# Allegro board rpi-cm4-carrierboard-v1_00-0a.brd (continued)
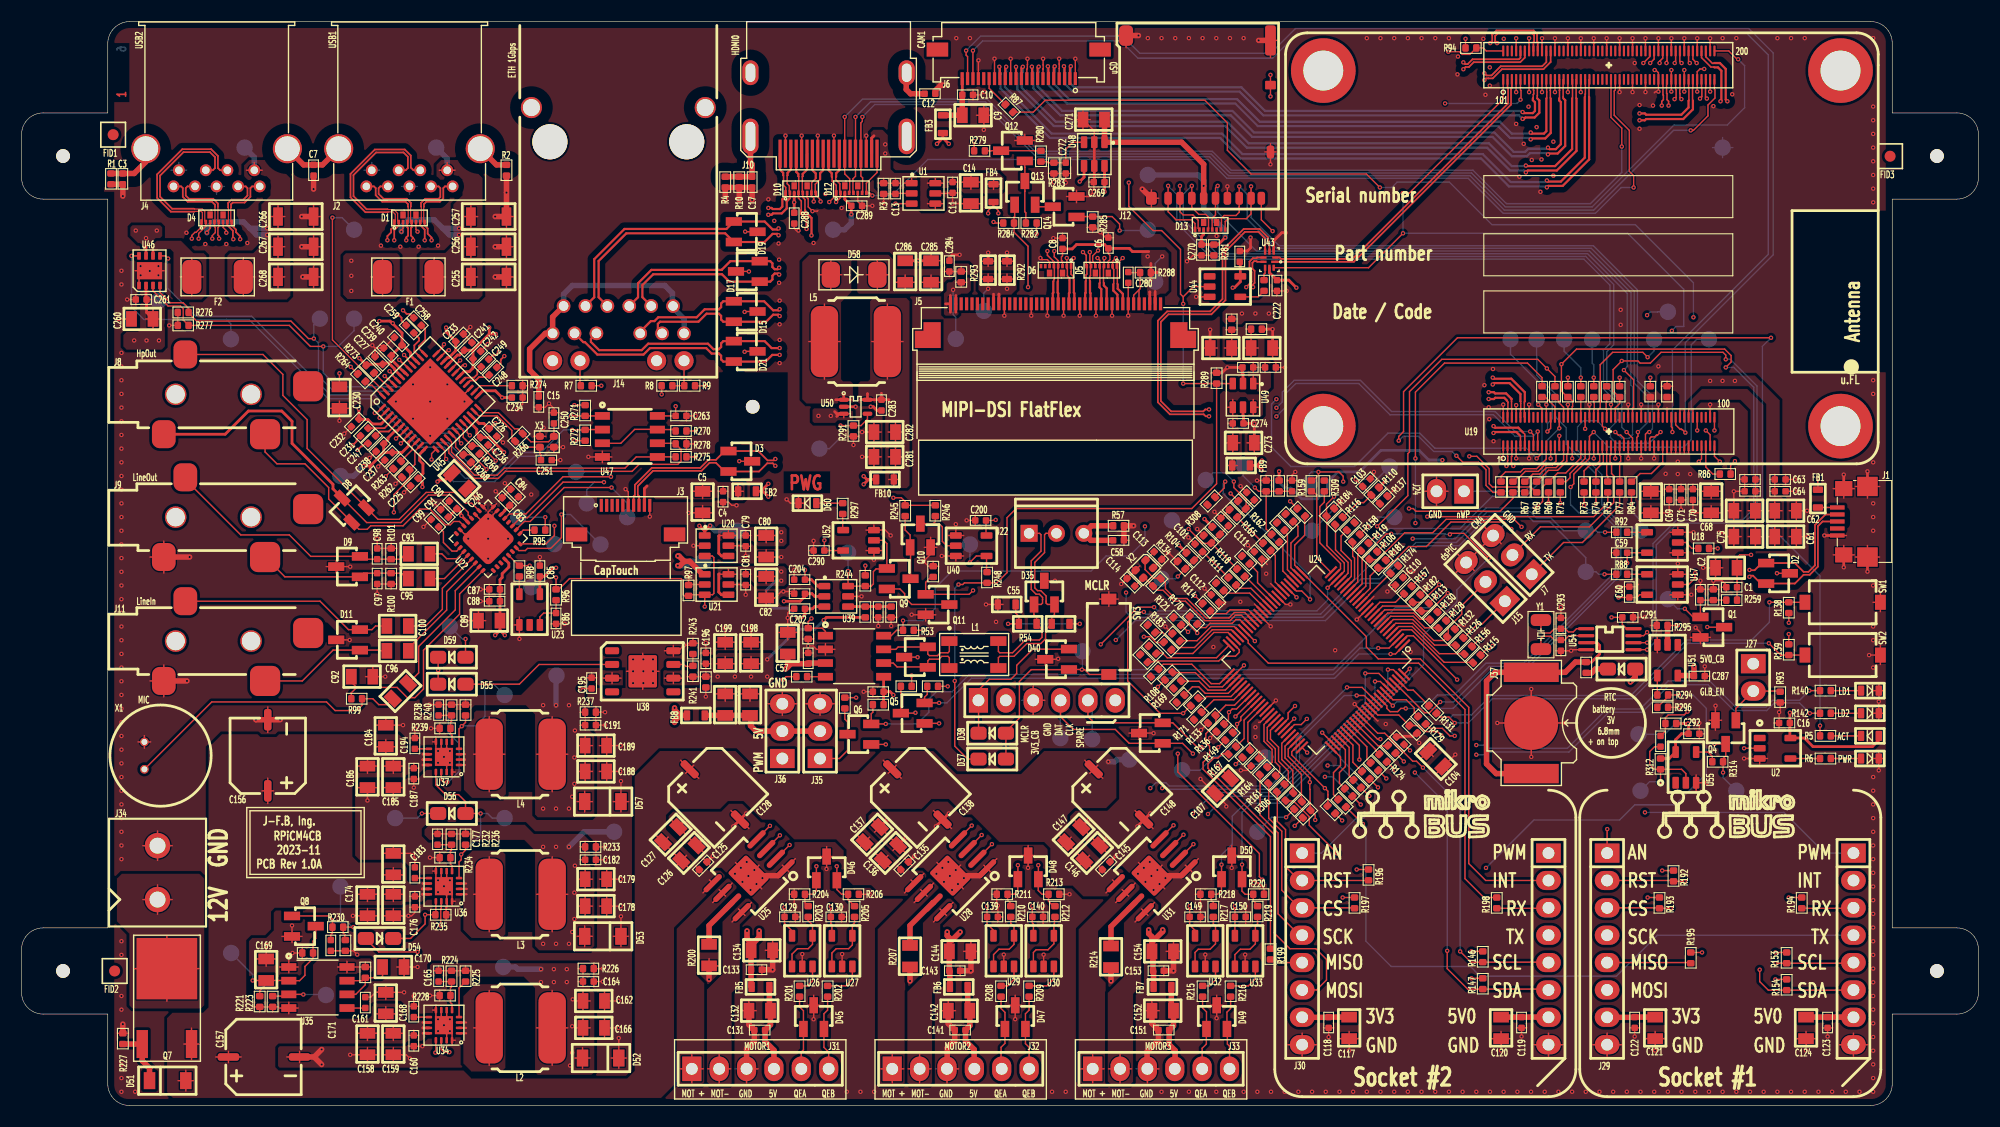
[diagram p0: board, top side]
## Copper pours and planes (outline as drawn; the poured copper is in the pictures) (continued)
3V3_CM4 on POW_INNER3: 160.25,67.95 160.25,63.55 158.7,62 152.45,62 152.3,61.85 152.3,59.55 151.1,58.35 150.35,58.35 149.9,57.9 149.9,50.25 154.65,45.5 154.65,44.05 154.3,43.7 150.85,43.7 145.75,48.8 145.75,65.55 146.6,66.4 151.95,66.4 153.9,68.35 159.85,68.35
3V3_CODEC on POW_INNER3: 64.1,54.65 64.6,54.15 64.6,52.7 64.15,52.25 60.05,52.25 59.6,51.8 59.6,49.8 58.75,48.95 51.15,48.95 50.95,48.75 50.95,44.4 50.6,44.05 46.25,44.05 45.25,43.05 43.5,43.05 43.05,43.5 43.05,46.05 38.85,50.25 38.85,54.8 40.1,56.05 45.05,56.05 46.45,54.65
5V0_CB on TOP: 11.25,76.55 11.85,76.55 11.85,75.5 13.3,74.05 13.3,70.45 13,70.15 9.75,70.15 9.45,70.45 9.45,71.5 9.75,71.8 10.8,71.8 11,72 11,75.5 11.25,75.75
5V0_CB on TOP: 152.55,61.8 154.85,61.8 154.85,59.4 156.15,58.1 157.5,58.1 157.8,57.8 157.8,56.35 157.65,56.2 156,56.2 155.45,56.75 152.55,56.75 152,56.2 150.35,56.2 150.2,56.35 150.2,57.8 150.5,58.1 151.2,58.1 152.55,59.45
5V0_CB on TOP: 52.55,13.2 52.75,13 52.75,10.85 53.15,10.45 53.15,3.1 52.9,2.85 47.9,2.85 47.65,3.1 47.65,10.9 46.6,11.95 38.1,11.95 37.9,12.15 37.9,13 38.1,13.2
5V0_CB on BOTTOM: 48.2,14 56.9,14 58.3,15.4 58.3,35.5 63.1,40.3 68.8,40.3 72.1,43.6 72.1,53.1 70.6,54.6 69.1,54.6 68.3,55.4 68.3,58 69.2,58.9 75.7,58.9 77.2,60.4 77.2,63.7 80.3,66.8 80.3,82.1 82.7,84.5 91,84.5 91.7,83.8 91.7,82 91,81.3 87.3,81.3 85.3,79.3 85.3,65.4 82.3,62.4 82.3,55.6 83.5,54.4 83.5,37.7 75,29.2 67.5,29.2 64.4,26.1 64.4,13.1 61.3,10 48.3,10 47.3,11 47.3,13.1
5V0_CB on POW_INNER3: 158.65,38.65 159.55,39.55 161.85,39.55 162.8,40.5 162.8,46.4 163.35,46.95 164.55,46.95 165.1,46.4 165.1,10.6 162.7,8.2 155.2,8.2 153.6,6.6 145.1,6.6 144.4,7.3 144.4,8.8 144.45,8.85 143.65,9.65 127.75,9.65 124.75,6.65 117.2,6.65 116.25,7.6 116.25,17.95 114.8,19.4 64.45,19.4 58.45,13.4 51.9,13.4 53.15,12.15 53.15,3.1 51.9,1.85 171.3,1.85 172.85,3.4 172.85,58.1 156.15,58.1 154.85,59.4 154.85,61.8 152.55,61.8 152.55,59.45 151.2,58.1 150.5,58.1 150.2,57.8 150.2,39.3 151.25,38.25 151.25,35.1 151.85,34.5 157.9,34.5 158.65,35.25
5V0_CB on POW_INNER3: 51.9,1.85 53.15,3.1 53.15,12.15 51.9,13.4 24.6,13.4 20.45,17.55 20.45,73.1 19.85,73.7 9.4,73.7 8.8,73.1 8.8,71.1 9.85,70.05 9.85,8 16,1.85
5V_HDMI0 on TOP: 78.7,86.95 79.1,86.95 79.15,87 79.15,89.8 79.2,89.85 79.55,89.85 79.65,89.75 79.65,86.4 79.35,86.1 79.35,85.25 79.55,85.05 83.1,85.05 83.1,86.3 82.85,86.55 81,86.55 80.65,86.9 80.65,89.8 79.9,90.55 79.05,90.55 78.8,90.3 78.8,89.85 78.65,89.7 78.65,87
5V_HDMI0 on POW_INNER3: 78.5,89.75 80.45,89.75 80.65,89.55 80.65,87.75 80.45,87.55 79.45,87.55 77.8,85.9 77.8,82.2 77.5,81.9 76.4,81.9 76.15,82.15 76.15,83.1 76.45,83.4 76.45,84.55 75.85,85.15 73,85.15 72.45,84.6 72.45,83.3 72.15,83 71.2,83 70.9,83.3 70.9,85.75 72.3,87.15 75.9,87.15
12V0_CB on TOP: 59.25,32.9 66.25,32.9 68.4,30.75 77.65,30.75 79.8,32.9 84.6,32.9 86.75,30.75 92.75,30.75 94.9,32.9 100.65,32.9 101.6,31.95 101.6,28.55 100.65,27.6 97.7,27.6 97.05,26.95 97.05,25.9 101,21.95 102.05,21.95 102.6,21.4 102.6,21.05 100.95,19.4 98.55,19.4 97.55,20.4 96.25,20.4 95.48,21.18 95.48,23.88 94.9,24.45 90.75,24.45 88.2,27 87.5,27 86.05,28.45 84.45,28.45 83.53,27.53 78.88,27.53 78.35,27 78.35,25.65 81.4,22.6 81.65,22.6 82.1,22.15 82.1,22.1 82.4,21.8 83.6,21.8 83.95,21.45 83.95,21.1 82.3,19.45 79.85,19.45 78.85,20.45 77.15,20.45 76.55,21.05 76.55,23.75 75.6,24.7 71.7,24.7 69.88,26.53 68.73,26.53 67,28.25 65.55,28.25 64.83,27.53 60.38,27.53 59.8,26.95 59.8,25.6 62.7,22.7 62.85,22.7 63.75,21.8 64.85,21.8 65.25,21.4 65.25,21.05 60.55,16.35 60.55,1.9 59.35,0.7 14.05,0.7 13.5,1.25 13.5,8.1 14,8.6 16.85,8.6 17.35,9.1 17.35,33.2 18.6,34.45 21.9,34.45 22.15,34.2 23.65,34.2 23.9,34.45 35,34.45 35.65,33.8 35.65,32.95 36.05,32.55 36.75,32.55 37.05,32.85 38.2,32.85 38.2,31.4 37.5,31.4 36.8,30.7 35.75,30.7 35.5,30.45 31.35,30.45 30.7,29.8 30.7,23.1 31.25,22.55 35.25,22.55 35.75,22.05 35.75,20.9 36.15,20.5 36.7,20.5 37.05,20.85 38.2,20.85 38.2,19.35 37.55,19.35 37.1,18.9 35.6,18.9 35.3,18.6 26.45,18.6 26.2,18.35 23.5,18.35 23.15,18 23.15,16.35 22.6,15.8 21.3,15.8 20.85,15.35 20.85,10.1 21.3,9.65 26.45,9.65 27.05,10.25 27.05,13.05 27.65,13.65 32.35,13.65 32.6,13.4 32.6,12.55 32.35,12.3 31.2,12.3 31.1,12.2 29.35,12.2 29.15,12 29.15,8.25 29.35,8.05 32.2,8.05 32.5,8.35 32.5,9.15 32.8,9.45 35.1,9.45 35.45,9.1 35.45,8.05 35.9,7.6 36.7,7.6 37.05,7.95 38.2,7.95 38.2,6.45 37.6,6.45 37.15,6 35.85,6 35.6,5.75 23.85,5.75 23.55,5.45 23.55,3.55 23.85,3.25 41,3.25 41.75,2.5 56.2,2.5 56.9,3.2 56.9,30.55
12V0_PSU on TOP: 9.3,21.5 16.5,21.5 16.95,21.05 16.95,9.3 16.65,9 10.3,9 10,9.3 10,15.95 8.85,17.1 8.85,21.05
GND on BOTTOM: 171.6,100 172.57,99.64 173,98.7 173,91.5 179.6,91.5 180.55,91.11 181,90.2 181,86.1 180.6,85.19 179.7,84.75 173,84.75 173,15.85 179.7,15.85 180.58,15.43 181,14.55 181,10.45 181,10.43 180.61,9.49 179.68,9.1 179.65,9.1 173,9.1 173,1.95 172.62,1.02 171.7,0.6 9.85,0.6 8.98,0.98 8.6,1.85 8.6,9.1 1.85,9.1 0.96,9.53 0.6,10.45 0.6,10.5 0.6,14.45 0.6,14.47 1,15.45 1.97,15.85 2,15.85 8.6,15.85 8.6,84.8 1.95,84.8 1.92,84.8 0.99,85.19 0.6,86.12 0.6,86.15 0.6,90.1 0.6,90.12 1,91.1 1.97,91.5 2,91.5 8.6,91.5 8.6,98.5 8.99,99.54 10,100 ; 25 cut-outs
GND on GND_INNER1, GND_INNER4: 171.6,100 172.57,99.64 173,98.7 173,91.5 179.6,91.5 180.55,91.11 181,90.2 181,86.1 180.6,85.19 179.7,84.75 173,84.75 173,15.85 179.7,15.85 180.58,15.43 181,14.55 181,10.45 181,10.43 180.61,9.49 179.68,9.1 179.65,9.1 173,9.1 173,1.95 172.62,1.02 171.7,0.6 9.85,0.6 8.98,0.98 8.6,1.85 8.6,9.1 1.85,9.1 0.96,9.53 0.6,10.45 0.6,10.5 0.6,14.45 0.6,14.47 1,15.45 1.97,15.85 2,15.85 8.6,15.85 8.6,84.8 1.95,84.8 1.92,84.8 0.99,85.19 0.6,86.12 0.6,86.15 0.6,90.1 0.6,90.12 1,91.1 1.97,91.5 2,91.5 8.6,91.5 8.6,98.5 8.99,99.54 10,100 ; 10 cut-outs
GND on SIG_INNER2: 171.6,100 172.57,99.64 173,98.7 173,91.5 179.6,91.5 180.55,91.11 181,90.2 181,86.1 180.6,85.19 179.7,84.75 173,84.75 173,15.85 179.7,15.85 180.58,15.43 181,14.55 181,10.45 181,10.43 180.61,9.49 179.68,9.1 179.65,9.1 173,9.1 173,1.95 172.62,1.02 171.7,0.6 9.85,0.6 8.98,0.98 8.6,1.85 8.6,9.1 1.85,9.1 0.96,9.53 0.6,10.45 0.6,10.5 0.6,14.45 0.6,14.47 1,15.45 1.97,15.85 2,15.85 8.6,15.85 8.6,84.8 1.95,84.8 1.92,84.8 0.99,85.19 0.6,86.12 0.6,86.15 0.6,90.1 0.6,90.12 1,91.1 1.97,91.5 2,91.5 8.6,91.5 8.6,98.5 8.99,99.54 10,100 ; 31 cut-outs
(no net) on TOP: 171.6,100 172.57,99.64 173,98.7 173,91.5 179.6,91.5 180.55,91.11 181,90.2 181,86.1 180.6,85.19 179.7,84.75 173,84.75 173,15.85 179.7,15.85 180.58,15.43 181,14.55 181,10.45 181,10.43 180.61,9.49 179.68,9.1 179.65,9.1 173,9.1 173,1.95 172.62,1.02 171.7,0.6 9.85,0.6 8.98,0.98 8.6,1.85 8.6,9.1 1.85,9.1 0.96,9.53 0.6,10.45 0.6,10.5 0.6,14.45 0.6,14.47 1,15.45 1.97,15.85 2,15.85 8.6,15.85 8.6,84.8 1.95,84.8 1.92,84.8 0.99,85.19 0.6,86.12 0.6,86.15 0.6,90.1 0.6,90.12 1,91.1 1.97,91.5 2,91.5 8.6,91.5 8.6,98.5 8.99,99.54 10,100 ; 99 cut-outs
CGND on GND_INNER1, GND_INNER4: 9.25,88.4 10.5,87.15 12.55,87.15 13.55,88.15 22.8,88.15 23.95,87 30.3,87 31.45,88.15 40.35,88.15 41.4,87.1 43.4,87.1 45.15,88.85 45.15,90.6 45.75,91.2 48.05,91.2 48.8,91.95 62,91.95 66.05,87.9 68.7,87.9 69.3,88.5 69.3,90.65 69.8,91.15 80.3,91.15 80.85,90.6 80.85,88.5 81.5,87.85 82.85,87.85 83.55,88.55 83.55,92.35 84.35,93.15 84.35,99.7 84.05,100 10.35,100 9.25,98.9
DSI_3V3 on TOP: 104.45,73.7 105.45,73.7 105.45,75.15 105.65,75.35 106.15,75.35 106.45,75.65 106.45,79.05 106.1,79.4 104.25,79.4 103.9,79.05 103.9,78.05 104.25,77.7 104.25,76.35 104.45,76.15
DSI_3V3 on TOP: 111.45,72.8 111.75,72.5 113.2,72.5 113.5,72.8 116.1,72.8 116.4,73.1 116.4,73.95 116.1,74.25 111.75,74.25 111.45,73.95
DSI_3V3 on POW_INNER3: 104.25,79.4 103.9,79.05 103.9,73.9 105.4,72.4 116.1,72.4 116.4,72.7 116.4,73.95 116.1,74.25 106.95,74.25 106.45,74.75 106.45,79.05 106.1,79.4
GPIO_VREF on TOP: 150.6,65.3 151.6,65.3 151.7,65.4 152.1,65.4 152.25,65.25 152.25,64.75 152.5,64.5 152.5,63.25 152.9,63.25 152.9,64.5 153.35,64.95 153.35,66.2 153.2,66.35 150.6,66.35 150.45,66.2 150.45,65.45
LED+ on TOP: 85.75,73.3 86.8,73.3 86.95,73.45 86.95,75.1 87.2,75.35 87.8,75.35 88.1,75.65 88.1,76.65 87.9,76.85 86.8,76.85 86.35,76.4 86,76.4 85.85,76.25 85.85,75.6 85.6,75.35 85.6,73.45
LED- on TOP: 88.8,76.95 89.1,77.25 92.05,77.25 92.35,76.95 92.35,75.75 91.85,75.25 91.05,75.25 90.95,75.15 90.95,73.7 89.95,73.7 89.95,75.15 89.85,75.25 89.25,75.25 88.8,75.7
LED- on TOP: 75.7,64.55 77.05,64.55 77.15,64.45 77.15,63.7 77.05,63.6 75.75,63.6 75.5,63.35 73.55,63.35 73.4,63.5 73.4,64.55 73.55,64.7 75.55,64.7
LED- on POW_INNER3: 73.35,66.35 73.35,63.3 88,63.3 92.05,67.35 92.05,76.4 89.1,76.4 89.1,68.7 86.75,66.35
Net_48 on TOP (solid shape): 85.3,70.3 82.9,70.3 82.9,71.9 83.7,71.9 83.7,72.7 85.3,72.7
Net_49 on TOP (solid shape): 108.2,71.9 109,71.9 109,70.3 106.6,70.3 106.6,72.7 108.2,72.7
OUTA_MOTOR4 on TOP: 65.45,21.05 65.65,21.05 66.35,20.35 66.35,20.15 62.6,16.4 62.6,12.1 63.3,11.4 63.35,11.35 63.35,2.13 63.3,2.1 63.1,1.9 61.05,1.9 60.8,2.15 60.8,16.4
OUTA_MOTOR5 on TOP: 84.15,21.05 84.35,21.05 85.1,20.3 85.1,20.15 81.25,16.3 81.25,12.9 82,12.15 82,2.15 81.75,1.9 79.7,1.9 79.45,2.15 79.45,16.35
OUTA_MOTOR6 on TOP: 102.75,21 103.1,21 103.75,20.35 103.75,20.05 99.9,16.2 99.9,12.1 100.6,11.4 100.6,1.9 98.5,1.9 98.1,2.3 98.1,16.35
OUTB_MOTOR4 on TOP: 67.2,19.2 67.5,19.2 68.15,18.55 68.15,18.3 66.65,16.8 66.65,11.2 65.9,10.45 65.9,2.1 65.7,1.9 63.9,1.9 63.6,2.2 63.6,10.75 65.05,12.2 65.05,17.05
OUTB_MOTOR5 on TOP: 85.9,19.2 86.2,19.2 86.8,18.6 86.8,18.35 85.25,16.8 85.25,11.2 84.5,10.45 84.5,2.15 84.25,1.9 82.45,1.9 82.2,2.15 82.2,10.55 83.65,12 83.65,16.95
OUTB_MOTOR6 on TOP: 104.55,19.2 104.9,19.2 105.5,18.6 105.5,18.25 103.9,16.65 103.9,11.1 103.15,10.35 103.15,2.2 102.85,1.9 101.15,1.9 100.8,2.25 100.8,10.45 102.3,11.95 102.3,16.95
USB3_0-VBUS on TOP: 38.5,87.3 38.95,87.75 41.1,87.75 42.77,86.08 42.77,75.17 42.42,74.83 37.23,74.83 36.92,75.12 36.92,78.88 37.17,79.12 39.33,79.12 40.08,79.88 40.08,83.62 40.92,84.47 40.92,85.92 40.58,86.28 39.98,86.28 39.62,85.92 38.83,85.92 38.5,86.25
USB3_1-VBUS on TOP: 20.65,87.25 21.15,87.75 23.25,87.75 24.95,86.05 24.95,75.15 24.6,74.8 19.4,74.8 19.1,75.1 19.1,78.85 19.35,79.1 21.5,79.1 22.25,79.85 22.25,83.6 23.1,84.45 23.1,85.9 22.75,86.25 22.15,86.25 21.8,85.9 21,85.9 20.65,86.25
N60225 on TOP: 11.9,79.6 11.9,78.45 11.95,78.4 12.45,78.4 12.5,78.45 12.5,79.3 12.7,79.5 13.8,79.5 14.1,79.2 14.1,75.2 14.5,74.8 16.7,74.8 17.15,75.25 17.15,78.85 16.9,79.1 15.95,79.1 14.8,80.25 12.55,80.25
N60240 on TOP: 29.85,78.85 29.85,75.25 30.25,74.85 34.7,74.85 35.1,75.25 35.1,78.85 34.85,79.1 30.1,79.1
N60240 on TOP: 11.25,78.45 11.3,78.4 11.8,78.4 11.85,78.45 11.85,79.35 11.8,79.4 11.8,79.85 12.45,80.5 12.85,80.5 13.05,80.7 13.05,81.5 12.85,81.7 10.3,81.7 10.1,81.5 10.1,80.75 10.8,80.05 11,80.05 11.25,79.8
N60240 on BOTTOM: 31.25,79.15 31.7,78.7 31.7,75.25 31.25,74.8 15.9,74.8 14.5,76.2 14.5,78.45 13.7,79.25 10.15,79.25 9.8,79.6 9.8,81.7 10.15,82.05 14.2,82.05 14.55,81.7 14.55,80.05 15.45,79.15
N60240 on POW_INNER3: 31,79.3 31.45,78.85 31.45,75.25 31,74.8 15.9,74.8 14.5,76.2 14.5,78.45 13.7,79.25 10.15,79.25 9.8,79.6 9.8,81.7 10.15,82.05 14.45,82.05 14.82,81.67 14.82,80.38 15.9,79.3
N1504962 on TOP: 83.65,86.55 90.7,86.55 91.15,86.1 91.15,85.05 90.75,84.65 87.45,84.65 86.95,85.15 84.3,85.15 84.1,84.95 84.1,84.35 84.25,84.2 85.45,84.2 85.65,84 85.65,83.2 85.5,83.05 83.6,83.05 83.4,83.25 83.4,86.3
N1563208 on TOP: 113.55,72.65 114.5,72.65 114.65,72.5 114.65,71.95 115.35,71.25 115.35,69.35 115.6,69.35 115.95,69 115.95,66.65 115.55,66.25 113.85,66.25 113.8,66.3 113.8,68.8 113.55,69.05 111.85,69.05 111.45,69.45 111.45,72.4 113.3,72.4
N1563658 on TOP: 111.5,66.3 113.7,66.3 113.95,66.05 114.95,66.05 115.2,65.8 115.2,64.1 115.05,63.95 113.95,63.95 113.8,64.1 113.8,65.55 113.6,65.75 113.1,65.75 112.9,65.55 112.9,62.8 113.25,62.45 113.25,58.85 113,58.6 111.5,58.6 111.2,58.9 111.2,66
N1566337 on TOP: 80.3,64.8 80.3,64.15 80.15,64 80.15,57.55 80.4,57.3 82.15,57.3 82.4,57.55 82.4,74.65 82.1,74.95 79.05,74.95 78.75,74.65 78.75,67.4 78.55,67.2 77.85,67.2 77.65,67 77.65,65.15 79.15,65.15 79.35,64.95 80.15,64.95
N1566627 on TOP: 72.85,65.15 77.15,65.15 77.15,67 76.95,67.2 76.25,67.2 76.05,67.4 76.05,74.55 77,75.5 77,78.5 76.55,78.95 73.1,78.95 72.45,78.3 72.45,65.55
N1567374 on TOP: 80.45,78.95 81,78.4 81,77.8 81.15,77.65 85.4,77.65 85.65,77.9 86.4,77.9 86.65,78.15 87.85,78.15 88.1,77.9 88.1,77.15 87.9,76.95 86.75,76.95 86.3,76.5 85.95,76.5 85.75,76.3 85.75,75.7 85.4,75.35 77.7,75.35 77.55,75.5 77.55,78.5 78,78.95
N1589492 on TOP: 57.5,55 58.1,55 58.1,56.4 58.25,56.55 58.55,56.55 58.85,56.25 64.15,56.25 64.3,56.4 65.65,56.4 65.9,56.15 66.95,56.15 67.1,56.3 67.1,57.7 66.95,57.85 64.65,57.85 64.3,58.2 58.25,58.2 57.5,57.45
N1633388 on TOP: 41,10.15 42.1,11.25 44.55,11.25 44.9,10.9 44.9,3.5 44.55,3.15 41.75,3.15 41,3.9
N1668719 on TOP: 41,22.8 41.85,23.65 44.55,23.65 44.9,23.3 44.9,15.9 44.55,15.55 41.75,15.55 41,16.3
N1670581 on TOP: 41.05,35 42,35.95 42,36.45 42.2,36.65 44.6,36.65 44.95,36.3 44.95,28.9 44.6,28.55 41.8,28.55 41.05,29.3

## Text on the board
BOTTOM: 6
Ref Des/Silkscreen Bottom: MOT | MOT- | GND | MOTOR1 | 5V | QEA | QEB | MOTOR2 | MOTOR3 | USB2 | USB1 | ETH 1Gbps | HDMI0 | CAM1 | uSD | Socket #2 | Socket #1 | HpOut | LineOut | LineIn | MIC | 12V | USB OTG
TOP: 1 | PWG
Ref Des/Silkscreen Top: LineOut | HpOut | LineIn | MIC | MOT | MOT- | GND | MOTOR1 | 5V | QEA | QEB | MOTOR2 | MOTOR3 | nWP | + on top | battery | 6.8mm | RTC | 3V | 5V0_CB | GLB_EN | LD2 | ACT | PWR | LD1 | dsPIC | CM4 | RX | TX | USB2 | USB1 | ETH 1Gbps | HDMI0 | CAM1 | MCLR | 3V3_CB | DAT | CLK | SPARE | uSD | PCB Rev 1.0A | J-F.B, Ing. | RPiCM4CB | 2023-11 | CapTouch | PWM | 3V3 | 5V0 | MIPI-DSI FlatFlex | Serial number | Date / Code | Part number | Socket #2 | Socket #1 | 12V
GND_INNER1: 2
SIG_INNER2: 3
POW_INNER3: 4
GND_INNER4: 5
XSECTION_CHART: *  SURFACE - 0 MM | L1 TOP CONDUCTOR - 0.035 MM | *  DIELECTRIC - 0.203 MM | L2 GND_INNER1 CONDUCTOR - 0.03 MM | *  DIELECTRIC - 0.25 MM | L3 SIG_INNER2 CONDUCTOR - 0.03 MM | *  DIELECTRIC - 0.513 MM | L4 POW_INNER3 CONDUCTOR - 0.03 MM | L5 GND_INNER4 CONDUCTOR - 0.03 MM | L6 BOTTOM CONDUCTOR - 0.035 MM | DESIGN CROSS SECTION CHART | ___________________________ | TOTAL THICKNESS 1.609 MM | 1-6
NCLEGEND-1-6: FIGURE | FINISHED_SIZE | 0.1999 | 0.2032 | 0.5499 | 0.7 | 0.889 | 0.9652 | 1.016 | 1.0922 | 1.4732 | 1.5748 | 1.7 | 2.3 | 3.2512 | 3.7 | 3.9624 | 1.7x0.8999 | 2.7x0.8999 | 8.0x3.0 | 24.0x3.0 | DRILL CHART: TOP to BOTTOM | ALL UNITS ARE IN MILLIMETERS | PLATED | NON-PLATED | QTY | 15 | 1252 | 2 | 18 | 12 | 3 | 4 | 72 | 6 | 5 | 1 | 1409 | TOTAL HOLES:
